# Altium PCB Dashcam_V2.0B.PcbDoc (part 2 of 8) (continued)
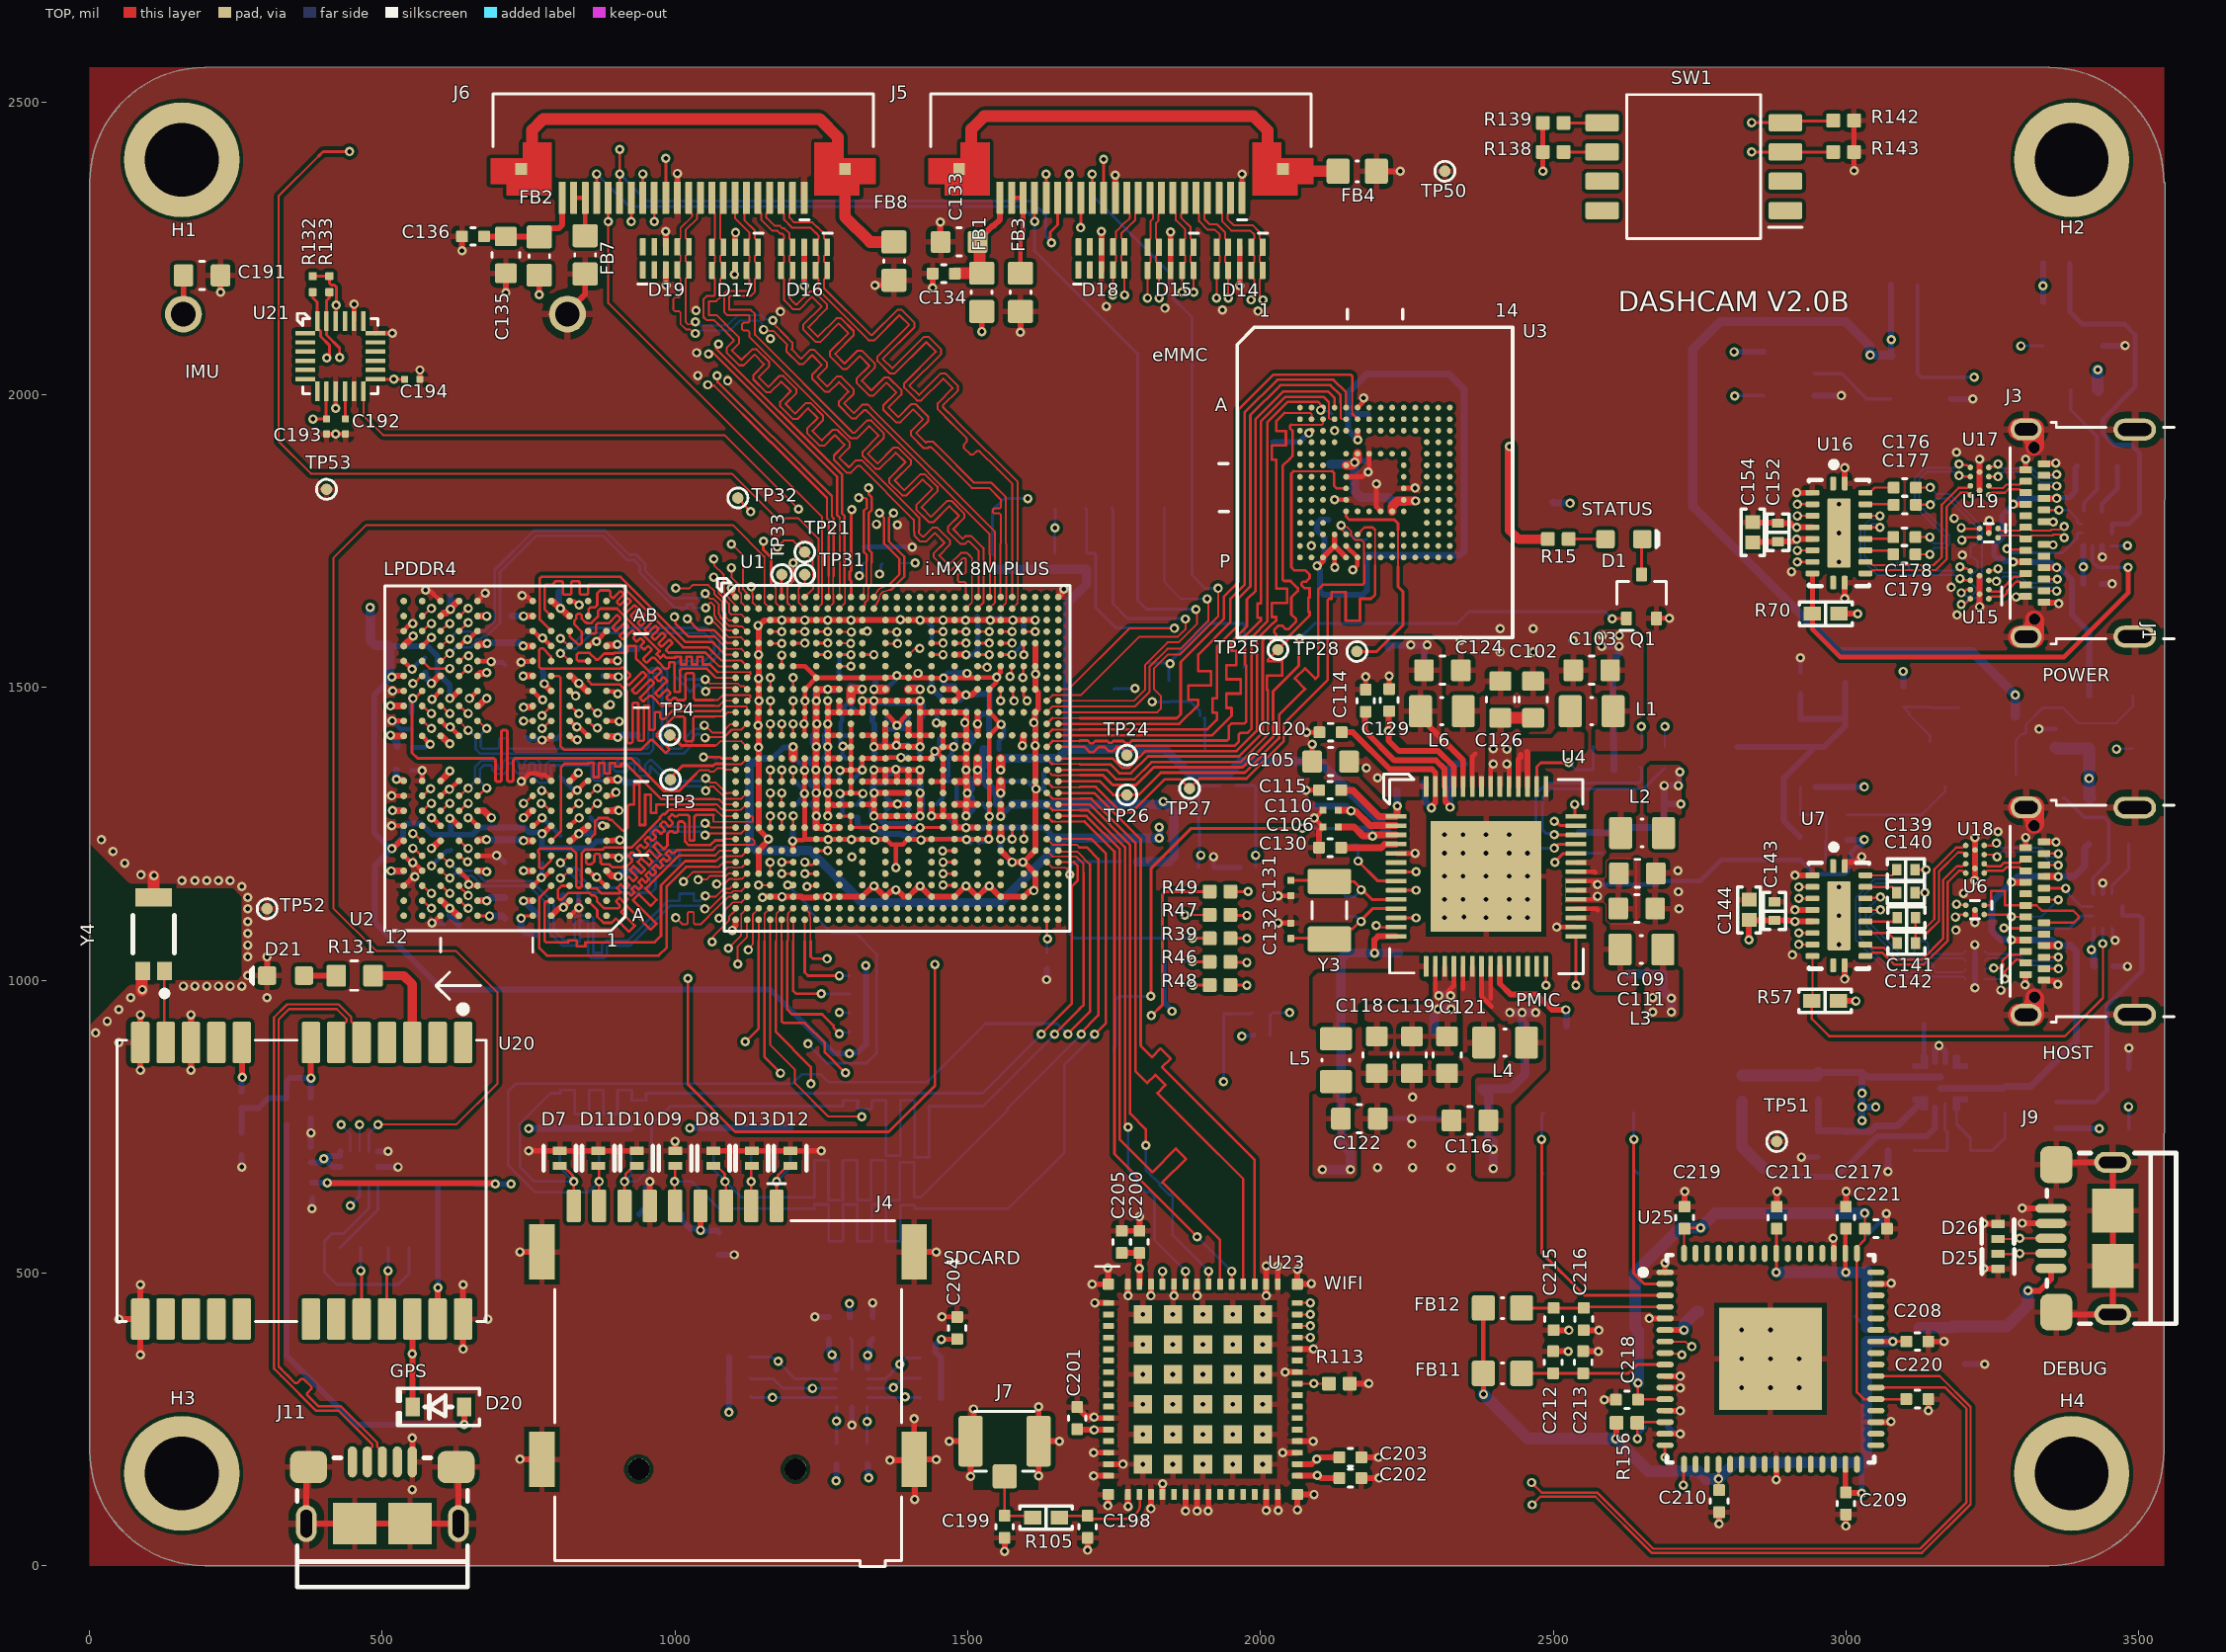
[diagram p0: TOP view]
## Footprints (in the part's own frame and the unit in brackets; to place one, negate y for a bottom-side part, rotate by r counter-clockwise, add the part's x,y. Pads: shape width x height; smd on the part's side, far side on the other; paste and mask are expansions set on the pad) (continued)
  silkscreen extent -7.79,-7.5 7.5,7.8, body extent -7.5,-7.5 7.5,7.5, height 1.48
IC_PMIC_QFN40P800X800X100-57N-D [mm] "QFN40P"
  rrect20% 0.9x0.2 smd: 1(-3.9,2.6) 2(-3.9,2.2) 3(-3.9,1.8) 4(-3.9,1.4) 5(-3.9,1) 6(-3.9,0.6) 7(-3.9,0.2) 8(-3.9,-0.2) 9(-3.9,-0.6) 10(-3.9,-1) 11(-3.9,-1.4) 12(-3.9,-1.8) 13(-3.9,-2.2) 14(-3.9,-2.6) 29(3.9,-2.6) 30(3.9,-2.2) 31(3.9,-1.8) 32(3.9,-1.4) 33(3.9,-1) 34(3.9,-0.6) 35(3.9,-0.2) 36(3.9,0.2) 37(3.9,0.6) 38(3.9,1) 39(3.9,1.4) 40(3.9,1.8) 41(3.9,2.2) 42(3.9,2.6)
  rrect20% 0.2x0.9 smd: 15(-2.6,-3.9) 16(-2.2,-3.9) 17(-1.8,-3.9) 18(-1.4,-3.9) 19(-1,-3.9) 20(-0.6,-3.9) 21(-0.2,-3.9) 22(0.2,-3.9) 23(0.6,-3.9) 24(1,-3.9) 25(1.4,-3.9) 26(1.8,-3.9) 27(2.2,-3.9) 28(2.6,-3.9) 43(2.6,3.9) 44(2.2,3.9) 45(1.8,3.9) 46(1.4,3.9) 47(1,3.9) 48(0.6,3.9) 49(0.2,3.9) 50(-0.2,3.9) 51(-0.6,3.9) 52(-1,3.9) 53(-1.4,3.9) 54(-1.8,3.9) 55(-2.2,3.9) 56(-2.6,3.9)
  rect 4.8x4.8 smd: 57(0,0)
  silkscreen extent -4.44,-4.22 4.22,4.44, body extent -4.05,-4.05 4.05,4.05, height 1
IC_REG_SOT230P700X180-4N [mm] "SOT223, 4-Leads, Body 6.50x7.00mm (avg), Pitch 2.30mm, IPC Medium Density"
  rrect20% 2.15x1.4 smd: 1(-2.925,2.3) 2(-2.925,0) 3(-2.925,-2.3)
  rect 2.15x3.7 smd: 4(2.925,0)
  silkscreen extent -4.01,-3.35 1.55,3.35, body extent -3.5,-3.2 3.5,3.3, height 1.65
IC_WIFI_BLE_LBEE5QD1ZM572 [mm]
  rrect20% 0.475x0.5 smd: 1(-4.563,-4.1) 18(4.563,-4.1) 33(4.563,4.1) 50(-4.563,4.1)
  rrect20% 0.25x0.475 smd: 2(-3.75,-4.1) 3(-3.25,-4.1) 4(-2.75,-4.1) 5(-2.25,-4.1) 6(-1.75,-4.1) 7(-1.25,-4.1) 8(-0.75,-4.1) 9(-0.25,-4.1) 10(0.25,-4.1) 11(0.75,-4.1) 12(1.25,-4.1) 13(1.75,-4.1) 14(2.25,-4.1) 15(2.75,-4.1) 16(3.25,-4.1) 17(3.75,-4.1) 34(3.75,4.1) 35(3.25,4.1) 36(2.75,4.1) 37(2.25,4.1) 38(1.75,4.1) 39(1.25,4.1) 40(0.75,4.1) 41(0.25,4.1) 42(-0.25,4.1) 43(-0.75,4.1) 44(-1.25,4.1) 45(-1.75,4.1) 46(-2.25,4.1) 47(-2.75,4.1) 48(-3.25,4.1) 49(-3.75,4.1)
  rrect20% 0.475x0.25 smd: 19(4.563,-3.25) 20(4.563,-2.75) 21(4.563,-2.25) 22(4.563,-1.75) 23(4.563,-1.25) 24(4.563,-0.75) 25(4.563,-0.25) 26(4.563,0.25) 27(4.563,0.75) 28(4.563,1.25) 29(4.563,1.75) 30(4.563,2.25) 31(4.563,2.75) 32(4.563,3.25) 51(-4.563,3.25) 52(-4.563,2.75) 53(-4.563,2.25) 54(-4.563,1.75) 55(-4.563,1.25) 56(-4.563,0.75) 57(-4.563,0.25) 58(-4.563,-0.25) 59(-4.563,-0.75) 60(-4.563,-1.25) 61(-4.563,-1.75) 62(-4.563,-2.25) 63(-4.563,-2.75) 64(-4.563,-3.25)
  rect 0.8x0.8 smd: 65(-3.25,-2.6) 66(-1.95,-2.6) 67(-0.65,-2.6) 68(0.65,-2.6) 69(1.95,-2.6) 70(3.25,-2.6) 71(3.25,-1.3) 72(3.25,0) 73(3.25,1.3) 74(3.25,2.6) 75(1.95,2.6) 76(0.65,2.6) 77(-0.65,2.6) 78(-1.95,2.6) 79(-3.25,2.6) 80(-3.25,1.3) 81(-3.25,0) 82(-3.25,-1.3) 83(-1.95,-1.3) 84(-0.65,-1.3) 85(0.65,-1.3) 86(1.95,-1.3) 87(1.95,0) 88(1.95,1.3) 89(0.65,1.3) 90(-0.65,1.3) 91(-1.95,1.3) 92(-1.95,0) 93(-0.65,0) 94(0.65,0)
  silkscreen extent -5.33,-4.65 -5.33,-3.63, body extent -5.1,-4.65 5.1,4.65, height 1.45
IND_0603_INDC1608X08N [mm] "Chip Inductor, 2-Leads, Body 1.60x0.80mm, IPC Medium Density"
  rrect20% 1x1.1 smd: 1(-0.83,0) 2(0.83,0)
  silkscreen extent -0.05,-0.45 0.05,0.45, body extent -0.8,-0.4 0.8,0.4, height 1.01
IND_0805_INDC2012X10N [mm] "Chip Inductor, 2-Leads, Body 2.00x1.25mm, IPC Medium Density"
  rrect20% 1x1.39 smd: 1(-0.93,0) 2(0.93,0)
  silkscreen extent -0.05,-0.6 0.05,0.6, body extent -1,-0.63 1,0.63, height 1
LED_0603-BLUE-0.75mm [mm] "LED 0603 BLUE height = 0.75mm"
  rrect25% 0.8x0.8 smd: 1(0.8,0) 2(-0.8,0)
  silkscreen extent 1.4,-0.38 1.52,0.38, body extent -0.8,-0.4 0.81,0.4, height 0.75
LED_0603-GREEN [mm] "1.60mm L x 0.80mm W"
  rrect25% 0.8x0.8 smd: 1(0.8,0) 2(-0.8,0)
  silkscreen extent 1.4,-0.38 1.52,0.38, body extent -0.83,-0.4 0.77,0.4, height 0.55
MECH_BATTERY_HOLDER_BH600 [mm]
  round 1.6 hole 1.067: 1(0,8.33) 2(0,-8.33)
  silkscreen extent -9.53,-11.37 9.53,12
"MURATA GCM155 0402_1005" [mm] "Chip Capacitor, 2-Leads, Body 1.0x0.50mm"
  rect 0.4x0.5 smd: 1(-0.4,0) 2(0.4,0)
  silkscreen extent -0.8,-0.48 0.8,0.48, body extent -0.52,-0.27 0.53,0.28, height 0.55
PTH_3.2X5 [mm] "PTH 3.2mm drill 5mm ring"
  round 5 hole 3.2 paste-2539.97: 1(0,0)
"RES 0402_1005" [mm] "Chip Resistor, 2-Leads, Body 1.0x0.5mm, IPC Medium Density"
  rect 0.75x0.6 smd: 1(-0.575,0) 2(0.575,0)
  silkscreen extent -1.14,-0.51 1.14,0.51, body extent -0.5,-0.25 0.5,0.25, height 0.35
"RES 0805_2012" [mm] "Chip Resistor, 2-Leads, Body 2.00x1.25mm, IPC Medium Density"
  rect 1.15x1.35 smd: 1(-0.875,0) 2(0.875,0)
  silkscreen extent -1.7,-0.9 1.7,0.9, body extent -1,-0.62 1,0.63, height 0.6
RES_0201_RESC0603X02N [mm] "Chip Resistor, 2-Leads, Body 0.60x0.30mm, IPC Medium Density"
  rrect20% 0.35x0.35 smd: 1(-0.35,0) 2(0.35,0)
  body extent -0.3,-0.15 0.3,0.15, height 0.24
RES_0402_RESC1005X04N [mm] "Chip Resistor, 2-Leads, Body 1.02x0.53mm, IPC Medium Density"
  rrect20% 0.6x0.6 smd: 1(-0.45,0) 2(0.45,0)
  body extent -0.5,-0.25 0.5,0.25, height 0.36
RES_0603_RESC1608X04N [mm] "Chip Resistor, 2-Leads, Body 1.60x0.80mm, IPC Medium Density"
  rrect20% 0.85x0.95 smd: 1(-0.8,0) 2(0.8,0)
  silkscreen extent -0.13,-0.64 0.17,0.64, body extent -0.8,-0.4 0.8,0.4, height 0.46
SOD323 [mm] "SOD, 2-Leads, Body 1.25x2.50mm, IPC Medium Density"
  rect 0.625x0.83 smd: 1(-1.112,0) 2(1.112,0)
  silkscreen extent -1.78,-0.8 1.78,0.8, body extent -1.36,-0.62 1.36,0.62, height 1.05
SOT-323 [mm] "SC-70, SOT-323"
  rrect20% 0.6x0.47 smd: D(0.95,0) G(-0.95,0.65) S(-0.95,-0.65)
  silkscreen extent -1.47,-1.07 0.65,1.07, body extent -1.05,-1.07 1.05,1.07, height 1.1
SW_DIP_SOIC127P844X265-8N [mm] "0.050\" (1.27mm), Half"
  rrect20% 1.45x0.75 smd: 1(-3.975,1.905) 2(-3.975,0.635) 3(-3.975,-0.635) 4(-3.975,-1.905) 5(3.975,-1.905) 6(3.975,-0.635) 7(3.975,0.635) 8(3.975,1.905)
  silkscreen extent -4.7,-3.13 2.9,3.13, body extent -4.22,-3.13 4.22,3.13, height 2.6
TP_PAD_0.5MM_SMD_ROUND [mm] "Test Point, round, 0.5mm diameter, smd pad"
  round 0.5 smd paste-1.524: 1(0,0)
  silkscreen extent -0.43,-0.43 0.43,0.43
TP_PAD_0.8MM_SMD_ROUND [mm] "Test Point, round, 0.8mm diameter, smd pad"
  round 0.8 smd paste-1.524: 1(0,0)
  silkscreen extent -0.51,-0.51 0.51,0.51
TRANS_AON7405 [mm]
  rrect20% 0.35x0.35 smd: D(-0.975,1.475) D(-0.325,1.475) D(0.325,1.475) D(0.975,1.475)
  rect 2.45x1.93 smd: D(0,0.335)
  rrect20% 0.35x0.55 smd: G(0.975,-1.475) S(-0.975,-1.475) S(-0.325,-1.475) S(0.325,-1.475)
  silkscreen extent -1.65,-1.98 1.65,1.65, body extent -1.65,-1.71 1.65,1.65, height 0.9
TRANS_FET_SOT65P210X110-3N [mm] "SC-70, SOT-323"
  rrect20% 0.99x0.5 smd: D(0.97,0) G(-0.97,0.65) S(-0.97,-0.65)
  silkscreen extent -1.73,-1.1 0.68,1.1, body extent -1.05,-1 1.05,1, height 1.01
"YAGEO RES 0402_1005" [mm] "Chip Resistor, 2-Leads, Body 1.0x0.5mm"
  rect 0.5x0.6 smd: 1(-0.5,0) 2(0.5,0)
  silkscreen extent -1,-0.51 1,0.51, body extent -0.5,-0.25 0.5,0.25, height 0.35

## Part data
BH1: library part MECH_BATTERY_HOLDER_BH600, "Battery Holder 1 Cells Thermoplastic Tray", Manufacturer="Memory Protection Devices", Max Operating Temperature=180°C, Min Operating Temperature=-55°C, Supplier Part Number 1=BH600-ND, Category="Batteries and Accessories", ComponentLink1Description=https://datasheet.ciiva.com/3/bh600-datasheet-3856.pdf?src-supplier=Digikey, ComponentLink1URL=https://datasheet.ciiva.com/3/bh600-datasheet-3856.pdf?src-supplier=Digikey, Diameter=16mm, Height=3.2mm, Lead Free="Lead Free", Manufacturer Part Number=BH600, Mount="Through Hole,PCB", Number of Cells=1, Pricing 1="1=1.7, 10=1.408, 50=1.236, 100=1.1686, 300=1.06927, 500=1.02602, 1000=0.97012, 2500=0.90087, 5000=0.85178 (USD)", RoHS=Yes, RoHS Compliant=Yes, Series=-, Stock 1=122929, Supplier 1=Digikey, Termination="PC Pin"
C1 C11 C19 C25 C29 C33 C38 C46 C54 C58 C71 C72 C77 C78 C85 C96 C114: library part CAP_10UF_6.3V_X5R_0402, "Cap Ceramic 10uF 6.3V X5R 20% SMD 0402 85C T/R", Capacitance=10uF, Case Code (Imperial)=0402, Case Code (Metric)=1005, Dielectric=X5R, Manufacturer=Samsung, Max Operating Temperature=85°C, Min Operating Temperature=-55°C, Package Quantity=1, Supplier Part Number 1=1276-1451-1-ND, Tolerance=20%, Voltage Rating=6.3V, Case/Package=0402, Category="Ceramic Capacitors", ComponentLink1Description=https://datasheet.ciiva.com/16437/cl05a106mq5nunc-16437356.pdf?src-supplier=Future+Electronics, ComponentLink1URL=https://datasheet.ciiva.com/16437/cl05a106mq5nunc-16437356.pdf?src-supplier=Future+Electronics, ComponentLink2Description=https://datasheet.ciiva.com/26877/getdatasheetpartid-355289-26877841.pdf?src-supplier=Verical, ComponentLink2URL=https://datasheet.ciiva.com/26877/getdatasheetpartid-355289-26877841.pdf?src-supplier=Verical, Construction=Flat, Depth=0.5mm, Height=0.5mm, Length=1mm, Manufacturer Part Number=CL05A106MQ5NUNC, Mount="Surface Mount", Packaging="Tape and Reel", Pricing 1="1=0.24, 10=0.153, 50=0.0968, 100=0.0774, 500=0.05588, 1000=0.04943, 2500=0.04728, 5000=0.04299 (USD)", Radiation Hardening=No, RoHS=Yes, RoHS Compliant=Yes, Series=CL, Stock 1=6097180, Supplier 1=Digikey, Thickness=0.028inch, Width=0.02inch
C2 C3 C4 C5 C6 C7 C8 C9 C10 C12 C13 C14 C15 C16 C20 C21 C22 C23 C24 C26 C27 C28 C30 C31 C32 C34 C35 C36 C37 C39 C40 C41 C42 C43 C44 C45 C47 C48 C49 C50 C51 C52 C53 C55 C56 C57 C59 C60 C61 C62 C73 C74 C75 C76 C79 C80 C81 C82 C83 C84 C86 C87 C88 C89 C90 C91 C92 C101 C106 C110 C195 C196: library part CAP_1UF_6.3V_X5R_0201, "0201 1 uF 6.3 V ±20 % Tolerance X5R Surface Mount Multilayer Ceramic Capacitor", Capacitance=1uF, Case Code (Imperial)=0201, Case Code (Metric)=0603, Dielectric=X5R, Manufacturer="Kyocera AVX", Max Operating Temperature=85°C, Min Operating Temperature=-55°C, Package Quantity=1, Supplier Part Number 1=581-02016D105MAT2A, Tolerance=20%, Voltage Rating=6.3V, Case/Package=0201, Category="Ceramic Capacitors", ComponentLink1Description=https://datasheet.ciiva.com/6265/cx5r-6265595.pdf?src-supplier=Digi-Key, ComponentLink1URL=https://datasheet.ciiva.com/6265/cx5r-6265595.pdf?src-supplier=Digi-Key, ComponentLink2Description=https://datasheet.ciiva.com/1123/1666675-1123122.pdf?src-supplier=Element14, ComponentLink2URL=https://datasheet.ciiva.com/1123/1666675-1123122.pdf?src-supplier=Element14, ComponentLink3Description=https://datasheet.ciiva.com/14891/cx5r-14891029.pdf?src-supplier=Digi-Key, ComponentLink3URL=https://datasheet.ciiva.com/14891/cx5r-14891029.pdf?src-supplier=Digi-Key, ComponentLink4Description=https://datasheet.ciiva.com/7614/cx5r-7614682.pdf?src-supplier=Digi-Key, ComponentLink4URL=https://datasheet.ciiva.com/7614/cx5r-7614682.pdf?src-supplier=Digi-Key, ComponentLink5Description=https://datasheet.ciiva.com/14891/cx5r-14891030.pdf?src-supplier=Digi-Key, ComponentLink5URL=https://datasheet.ciiva.com/14891/cx5r-14891030.pdf?src-supplier=Digi-Key, Depth=0.3mm, Lead Free="Lead Free", Length=0.024inch, Manufacturer Part Number=02016D105MAT2A, Mount="Surface Mount", Number of Pins=2, Packaging="Cut Tape", Pricing 1="1=0.1, 10=0.028, 50=0.028, 100=0.014, 1000=0.008, 10000=0.006 (USD)", Reach SVHC Compliant=No, RoHS=Yes, RoHS Compliant=Yes, Series=-, Stock 1=1026413, Supplier 1=Mouser, Thickness=0.013inch, Voltage Rating (DC)=6.3V, Width=0.012inch
C17 C18 C94 C95 C97 C98 C99 C100: library part CAP_0.22UF_10V_X5R_0201, "Multilayer Ceramic Capacitors (High dielectric type), 10V, 0.22 uF, ± 20 %, 0201, X5R, RoHS", Capacitance=220nF, Case Code (Imperial)=0201, Case Code (Metric)=0603, Dielectric=X5R, Manufacturer="Taiyo Yuden", Max Operating Temperature=85°C, Min Operating Temperature=-55°C, Package Quantity=15000, Supplier Part Number 1=587-2483-1-ND, Tolerance=20%, Voltage=10V, Case/Package=0201, Category="Ceramic Capacitors", ComponentLink1Description=https://datasheet.ciiva.com/134/lmk063bj224mp-f-ss-134995.pdf?src-supplier=Digikey, ComponentLink1URL=https://datasheet.ciiva.com/134/lmk063bj224mp-f-ss-134995.pdf?src-supplier=Digikey, ComponentLink2Description=https://datasheet.ciiva.com/11464/lmk063bj224mp-f-ss-11464053.pdf?src-supplier=Avnet, ComponentLink2URL=https://datasheet.ciiva.com/11464/lmk063bj224mp-f-ss-11464053.pdf?src-supplier=Avnet, ComponentLink3Description=https://datasheet.ciiva.com/15921/1589lmk063bj224mp-f-15921250.pdf?src-supplier=Onlinecomponents.com, ComponentLink3URL=https://datasheet.ciiva.com/15921/1589lmk063bj224mp-f-15921250.pdf?src-supplier=Onlinecomponents.com, ComponentLink4Description=https://datasheet.ciiva.com/26872/getdatasheetpartid-639019-26872592.pdf?src-supplier=Verical, ComponentLink4URL=https://datasheet.ciiva.com/26872/getdatasheetpartid-639019-26872592.pdf?src-supplier=Verical, ComponentLink5Description=https://datasheet.ciiva.com/30243/100lmk063bj224mp-f-30243150.pdf?src-supplier=Onlinecomponents.com, ComponentLink5URL=https://datasheet.ciiva.com/30243/100lmk063bj224mp-f-30243150.pdf?src-supplier=Onlinecomponents.com, ComponentLink6Description=https://datasheet.ciiva.com/28645/746258-28645141.pdf?src-supplier=Element14, ComponentLink6URL=https://datasheet.ciiva.com/28645/746258-28645141.pdf?src-supplier=Element14, ComponentLink7Description=https://datasheet.ciiva.com/5422/mlcc-all-e-541559-5422365.pdf?src-supplier=Mouser, ComponentLink7URL=https://datasheet.ciiva.com/5422/mlcc-all-e-541559-5422365.pdf?src-supplier=Mouser, Construction=Flat, Depth=0.3mm, Halogen Free="Halogen Free", Height=0.3mm, Length=0.6mm, Manufacturer Part Number=LMK063BJ224MP-F, Material=4241ConductorMaterial, Mount="Surface Mount", Packaging="Tape and Reel", Pricing 1="1=0.12, 10=0.08, 50=0.0478, 100=0.0375, 500=0.02772, 1000=0.02295, 2500=0.02136, 5000=0.01954 (USD)", Radiation Hardening=No, Reach SVHC Compliant=Unknown, RoHS=Yes, RoHS Compliant=Yes, Series=M, Stock 1=6053224, Supplier 1=Digikey, Termination=SMD/SMT, Voltage Rating=10V, Voltage Rating (DC)=10V, Width=0.3mm
C63 C115 C120: library part CAP_4.7UF_6.3V_X5R_0402, "Multilayer Ceramic Capacitor, 4.7 uF, 6.3 V, ± 20%, X5R, 0402 [1005 Metric]", Capacitance=4.7uF, Case Code (Imperial)=0402, Case Code (Metric)=1005, Dielectric=X5R, Dielectric Material=Ceramic, Manufacturer=TDK, Max Operating Temperature=85°C, Min Operating Temperature=-55°C, Package Quantity=1, Supplier Part Number 1=445-7395-1-ND, Tolerance=20%, Voltage=6.3V, Case/Package=0402, Category="Ceramic Capacitors", ComponentLink1Description=https://datasheet.ciiva.com/24216/c1005x5r0j475m050bc-264348-24216583.pdf?src-supplier=Mouser, ComponentLink1URL=https://datasheet.ciiva.com/24216/c1005x5r0j475m050bc-264348-24216583.pdf?src-supplier=Mouser, ComponentLink2Description=https://datasheet.ciiva.com/5962/639999-5962567.pdf?src-supplier=Farnell, ComponentLink2URL=https://datasheet.ciiva.com/5962/639999-5962567.pdf?src-supplier=Farnell, ComponentLink3Description=https://datasheet.ciiva.com/22648/1796654-22648701.pdf?src-supplier=Element14, ComponentLink3URL=https://datasheet.ciiva.com/22648/1796654-22648701.pdf?src-supplier=Element14, ComponentLink4Description=https://datasheet.ciiva.com/22749/1744655-22749711.pdf?src-supplier=Element14, ComponentLink4URL=https://datasheet.ciiva.com/22749/1744655-22749711.pdf?src-supplier=Element14, ComponentLink5Description=https://datasheet.ciiva.com/7770/639999-7770124.pdf?src-supplier=Element14, ComponentLink5URL=https://datasheet.ciiva.com/7770/639999-7770124.pdf?src-supplier=Element14, ComponentLink6Description=https://datasheet.ciiva.com/6289/tdkmlcccaprange-6289886.pdf?src-supplier=Digi-Key, ComponentLink6URL=https://datasheet.ciiva.com/6289/tdkmlcccaprange-6289886.pdf?src-supplier=Digi-Key, ComponentLink7Description=https://datasheet.ciiva.com/6289/tdkmlcccaprange-6289895.pdf?src-supplier=Digi-Key, ComponentLink7URL=https://datasheet.ciiva.com/6289/tdkmlcccaprange-6289895.pdf?src-supplier=Digi-Key, ComponentLink8Description=https://datasheet.ciiva.com/16425/e412-c-16425670.pdf?src-supplier=Future+Electronics, ComponentLink8URL=https://datasheet.ciiva.com/16425/e412-c-16425670.pdf?src-supplier=Future+Electronics, Construction=Flat, Depth=0.5mm, Dissipation Factor=10%, Height=0.5mm, Lead Free="Lead Free", Length=1mm, Manufacturer Part Number=C1005X5R0J475M050BC, Material=4241ConductorMaterial, Mount="Surface Mount", Packaging="Tape and Reel", Pricing 1="1=0.35, 10=0.233, 50=0.1716, 100=0.1396, 500=0.11024, 1000=0.0931, 2500=0.0882, 5000=0.0833 (USD)", Reach SVHC Compliant=No, RoHS=Yes, RoHS Compliant=Yes, Series=C, Stock 1=799722, Supplier 1=Digi-Key, Termination=SMD/SMT, Thickness=0.026inch, Voltage Rating=6.3V, Voltage Rating (DC)=6.3V, Weight=2.3E-05oz, Width=0.02inch
C64 C65: library part CAP_2200pF_16V_X7R_0201, "Multilayer Ceramic Capacitor, 2200 pF, 16 V, ± 10%, X7R, 0201 [0603 Metric]", Capacitance=2.2nF, Case Code (Imperial)=0201, Case Code (Metric)=0603, Dielectric=X7R, Manufacturer=Murata, Max Operating Temperature=125°C, Min Operating Temperature=-55°C, Package Quantity=1, Supplier Part Number 1=490-3190-1-ND, Tolerance=10%, Voltage=16V, Case/Package=0201, Category="Ceramic Capacitors", ComponentLink1Description=https://datasheet.ciiva.com/130/grm033r71c222ka88-01-130159.pdf?src-supplier=Digikey, ComponentLink1URL=https://datasheet.ciiva.com/130/grm033r71c222ka88-01-130159.pdf?src-supplier=Digikey, ComponentLink2Description=https://datasheet.ciiva.com/130/grm033r71c222ka88-01-130158.pdf?src-supplier=Digikey, ComponentLink2URL=https://datasheet.ciiva.com/130/grm033r71c222ka88-01-130158.pdf?src-supplier=Digikey, ComponentLink3Description=https://datasheet.ciiva.com/130/product-130160.pdf?src-supplier=Digikey, ComponentLink3URL=https://datasheet.ciiva.com/130/product-130160.pdf?src-supplier=Digikey, ComponentLink4Description=https://datasheet.ciiva.com/18184/getdatasheetpartid-153132-18184090.pdf?src-supplier=Verical, ComponentLink4URL=https://datasheet.ciiva.com/18184/getdatasheetpartid-153132-18184090.pdf?src-supplier=Verical, ComponentLink5Description=https://datasheet.ciiva.com/29199/455766-da-01-en-vs-kondensator-0201-29199161.pdf?src-supplier=Conrad, ComponentLink5URL=https://datasheet.ciiva.com/29199/455766-da-01-en-vs-kondensator-0201-29199161.pdf?src-supplier=Conrad, ComponentLink6Description=https://datasheet.ciiva.com/11620/product-11620555.pdf?src-supplier=Avnet, ComponentLink6URL=https://datasheet.ciiva.com/11620/product-11620555.pdf?src-supplier=Avnet, Construction=Flat, Depth=0.3mm, Height=0.3mm, Lead Free="Lead Free", Length=0.6mm, Manufacturer Part Number=GRM033R71C222KA88D, Material=Ceramic, Mount="Surface Mount", Packaging="Tape and Reel", Pricing 1="1=0.1, 10=0.01, 50=0.0056, 100=0.0043, 500=0.00324, 1000=0.00255, 2500=0.00232, 5000=0.00213 (USD)", Radiation Hardening=No, Reach SVHC Compliant=No, RoHS=Yes, RoHS Compliant=Yes, Series=GRM, Stock 1=653022, Supplier 1=Digikey, Termination=SMD/SMT, Thickness=0.013inch, Voltage Rating=16V, Voltage Rating (DC)=16V, Width=0.012inch
C66 C67 C131 C132: library part CAP_18PF_50V_NP0_0201, "Multilayer Ceramic Capacitor, 18 pF, 50 V, ± 5%, C0G (NP0), 0201 [0603 Metric]", Capacitance=18pF, Case Code (Imperial)=0201, Case Code (Metric)=0603, Dielectric=C0G, Manufacturer=Murata, Max Operating Temperature=125°C, Min Operating Temperature=-55°C, Package Quantity=15000, Supplier Part Number 1=490-6117-1-ND, Temperature Coefficient=30ppm/°C, Tolerance=5%, Voltage=50V, Case/Package=0201, Category="Ceramic Capacitors", Depth=0.3mm, Height=0.3mm, Lead Free="Lead Free", Length=0.6mm, Manufacturer Part Number=GRM0335C1H180JA01D, Material=Ceramic, Mount="Surface Mount", Packaging="Tape and Reel", Pricing 1="1=0.1, 10=0.011, 50=0.0062, 100=0.0048, 500=0.0036, 1000=0.00283, 2500=0.00258, 5000=0.00237 (USD)", Radiation Hardening=No, RoHS=Yes, RoHS Compliant=Yes, Series=GRM, Stock 1=464126, Supplier 1=Digikey, Termination=SMD/SMT, Voltage Rating=50V, Voltage Rating (DC)=50V, Width=0.3mm
C68 C69: library part CAP_12PF_25V_NP0_0201, "CAPACITORS CERAMIC, 12PF, 5%, 25V, C0G, 0201[0603]; Product Range: TDK - CGA Seri", Capacitance=12pF, Case Code (Imperial)=0201, Case Code (Metric)=0603, Dielectric=C0G, Manufacturer=TDK, Max Operating Temperature=125°C, Min Operating Temperature=-55°C, Package Quantity=15000, Ratings=AEC-Q200, Supplier Part Number 1=810-CGA1A2C0G1E120J, Tolerance=5%, Voltage Rating=25V, Case/Package=0201, Category="Ceramic Capacitors", ComponentLink1Description=https://datasheet.ciiva.com/24221/cga1a2c0g1e120j030ba-271847-24221437.pdf?src-supplier=Mouser, ComponentLink1URL=https://datasheet.ciiva.com/24221/cga1a2c0g1e120j030ba-271847-24221437.pdf?src-supplier=Mouser, Depth=0.3mm, Height=0.3mm, Length=0.6mm, Manufacturer Part Number=CGA1A2C0G1E120J030BA, Mount="Surface Mount", Packaging="Tape and Reel", Pricing 1="1=0.1, 10=0.041, 50=0.041, 100=0.024, 1000=0.017, 10000=0.014 (USD)", RoHS=Yes, RoHS Compliant=Yes, Series=CGA, Stock 1=58112, Supplier 1=Mouser, Termination=SMD/SMT, Voltage Rating (DC)=25V, Weight=6E-06oz, Width=0.3mm